# KiCad board spudglo_driver_v4p2.kicad_pcb
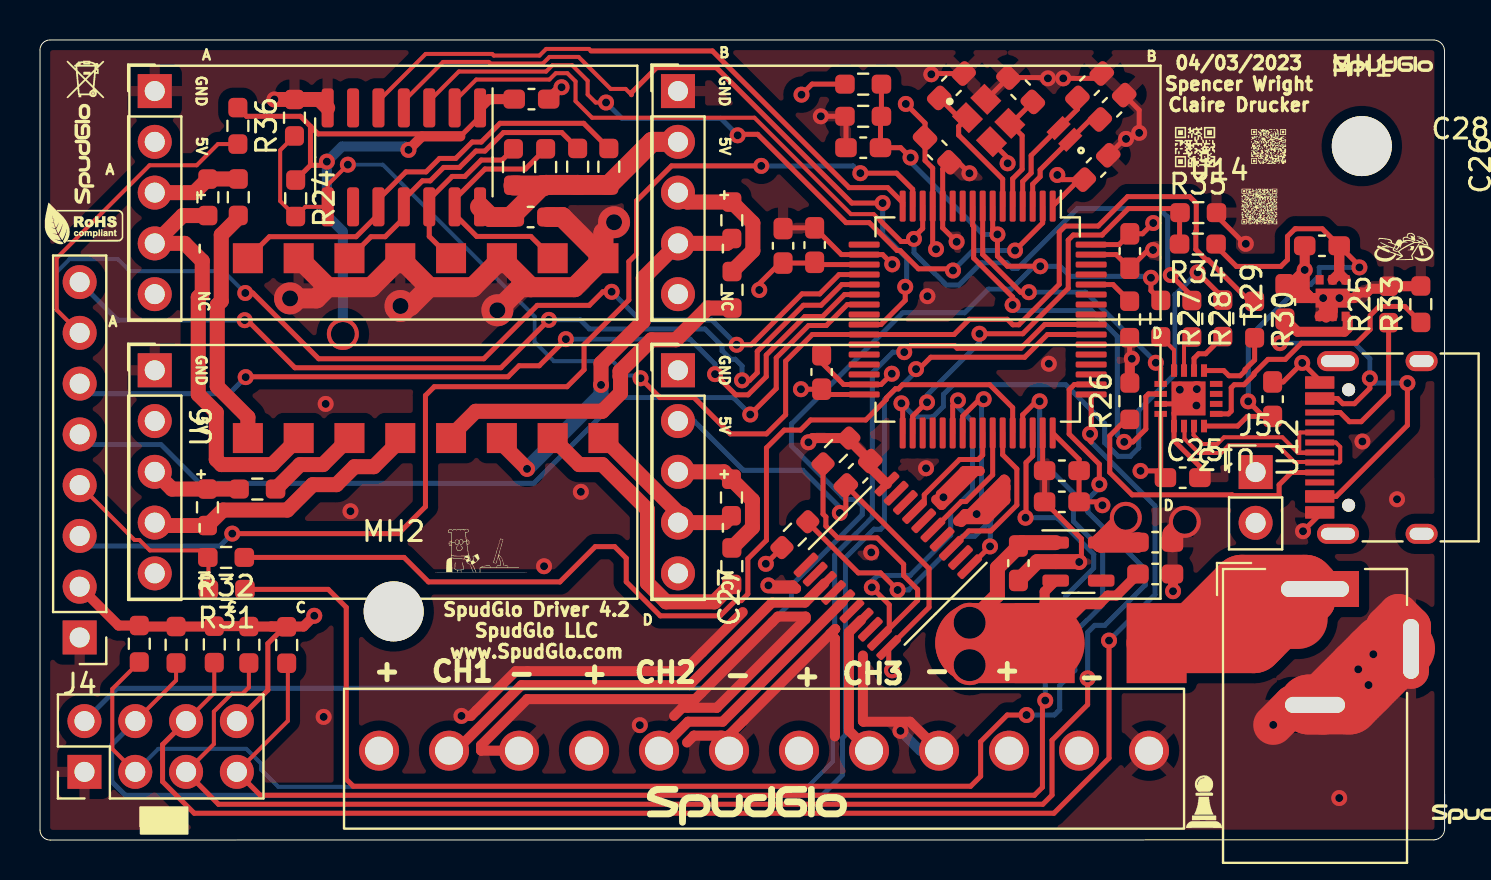
[diagram p0: board, top side]
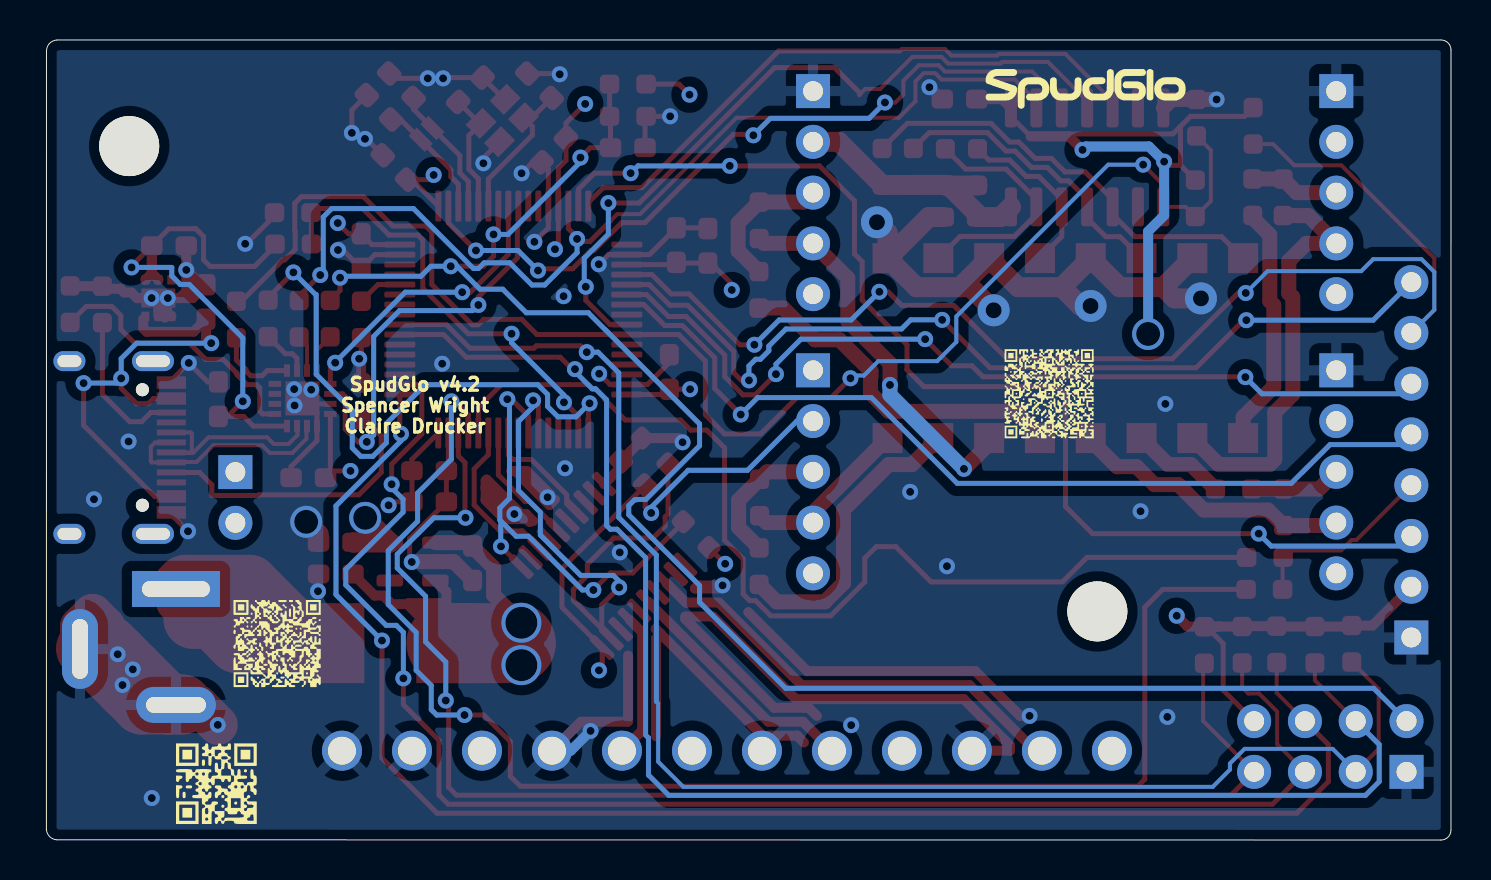
[diagram p1: board, bottom side, seen from below]

Outline 70.23 x 40.03 mm; copper layers: Top, GND.Cu (plane), PWR.Cu (plane), Bottom. Coordinates in mm from the lower left corner of the outline.
Outline path: 0,39.52 0,0.49 arc(0.15,0.14) 0.51,0 69.7,0.01 arc(70.07,0.17) 70.23,0.54 70.23,39.48 arc(70.07,39.86) 69.7,40.03 0.5,40.03 arc(0.14,39.88) 0,39.52
Stack: Top 0.035mm / dielectric 1.51mm FR4 er 4.5 / GND.Cu 0.035mm / dielectric 1.51mm FR4 er 4.5 / PWR.Cu 0.035mm / dielectric 1.51mm FR4 er 4.5 / Bottom 0.035mm

## Placement (name value [footprint] x y rotation side)
C1  1u  [C_0603_1608Metric_Pad1.08x0.95mm_HandSolder]  24.57 37.07 0 top
C2  1u  [C_0603_1608Metric_Pad1.08x0.95mm_HandSolder]  24.53 31.17 0 top
C3  6p  [C_0603_1608Metric_Pad1.08x0.95mm_HandSolder]  45.57 37.74 45 top
C4  8p  [C_0603_1608Metric_Pad1.08x0.95mm_HandSolder]  53.6 36.66 45 top
C5  8p  [C_0603_1608Metric_Pad1.08x0.95mm_HandSolder]  52.48 37.74 45 top
C6  0.1u  [C_0603_1608Metric_Pad1.08x0.95mm_HandSolder]  40.9 18.35 45 top
C7  6p  [C_0603_1608Metric_Pad1.08x0.95mm_HandSolder]  49.03 37.54 135 top
C8  0.1u  [C_0603_1608Metric_Pad1.08x0.95mm_HandSolder]  41.16 34.64 180 top
C9  0.1u  [C_0603_1608Metric_Pad1.08x0.95mm_HandSolder]  54.49 29.47 270 top
C10  0.1u  [C_0603_1608Metric_Pad1.08x0.95mm_HandSolder]  38.73 29.77 90 top
C11  0.1u  [C_0603_1608Metric_Pad1.08x0.95mm_HandSolder]  52.8 33.65 45 top
C12  0.1u  [C_0603_1608Metric_Pad1.08x0.95mm_HandSolder]  39.08 23.42 90 top
C13  0.1u  [C_0603_1608Metric_Pad1.08x0.95mm_HandSolder]  44.86 34.52 315 top
C14  4.7u  [C_0603_1608Metric_Pad1.08x0.95mm_HandSolder]  37.15 29.73 90 top
C15  1u  [C_0603_1608Metric_Pad1.08x0.95mm_HandSolder]  48.92 13.85 270 top
C16  0.01u  [C_0603_1608Metric_Pad1.08x0.95mm_HandSolder]  51.1 18.48 180 top
C17  1u  [C_0603_1608Metric_Pad1.08x0.95mm_HandSolder]  51.09 16.92 180 top
C18  1u  [C_0603_1608Metric_Pad1.08x0.95mm_HandSolder]  55.76 14.9 0 top
C19  10u  [C_0603_1608Metric_Pad1.08x0.95mm_HandSolder]  55.76 13.31 0 top
C25  1u  [C_0603_1608Metric_Pad1.08x0.95mm_HandSolder]  57.14 18.13 0 top
C26  1u  [C_0603_1608Metric_Pad1.08x0.95mm_HandSolder]  61.63 22.06 90 top
C27  1u  [C_0603_1608Metric_Pad1.08x0.95mm_HandSolder]  62.25 26.92 90 top
C28  1u  [C_0603_1608Metric_Pad1.08x0.95mm_HandSolder]  64.1 29.73 180 top
F1  Fuse-2410FA  [2410FA]  55.83 5.85 180 top
G***  -  [LOGO]  58.17 1.94 0 top
G***#2  -  [LOGO]  72.09 1.29 0 top
G***#3  -  [LOGO]  35.34 1.71 0 top
G***#4  -  [LOGO]  61.43 34.7 0 top
G***#5  -  [LOGO]  2.26 38.04 0 top
G***#6  -  [LOGO]  23.06 -4.13 0 top
G***#7  -  [LOGO]  22.06 14.48 0 top
G***#8  -  [LOGO]  67.15 38.72 0 top
G***#9  -  [LOGO]  2.22 30.81 0 top
G***#10  -  [LOGO]  60.97 31.7 0 top
G***#11  -  [LOGO]  57.75 34.67 0 top
G***#12  -  [LOGO]  68.2 29.66 0 top
G***#13  -  [LOGO]  2.22 34.33 90 top
G***#14  -  [LOGO]  20.09 22.33 180 bottom
G***#15  -  [LOGO]  18.27 37.58 180 bottom
G***#16  -  [LOGO]  58.69 9.83 180 bottom
G***#17  -  [LOGO]  61.73 2.82 180 bottom
J1  Conn_01x08_Male  [PinHeader_2x04_P2.54mm_Vertical]  2.22 3.41 90 top
J2  Barrel_Jack_Switch  [BarrelJack_Wuerth_6941xx301002]  63.75 12.56 0 top
J3  terminal_custom_12pin  [1984714]  16.95 4.47 0 top
J4  Conn_01x08_Male  [PinHeader_1x08_P2.54mm_Vertical]  1.98 10.14 180 top
J5  Conn_01x02_Male  [PinHeader_1x02_P2.54mm_Vertical]  60.78 18.41 0 top
MH1  MountingHole_Pad  [MountingHole_3mm]  66.09 34.72 0 top
MH2  MountingHole_Pad  [MountingHole_3mm]  17.68 11.44 0 top
R1  10k  [R_0603_1608Metric_Pad0.98x0.95mm_HandSolder]  8.39 32.16 270 top
R2  10k  [R_0603_1608Metric_Pad0.98x0.95mm_HandSolder]  12.72 36.14 90 top
R3  10k  [R_0603_1608Metric_Pad0.98x0.95mm_HandSolder]  34.57 17.14 270 top
R4  10k  [R_0603_1608Metric_Pad0.98x0.95mm_HandSolder]  8.37 16.65 270 top
R5  10k  [R_0603_1608Metric_Pad0.98x0.95mm_HandSolder]  34.59 31.01 270 top
R6  1k  [R_0603_1608Metric_Pad0.98x0.95mm_HandSolder]  9.91 32.16 90 top
R7  1k  [R_0603_1608Metric_Pad0.98x0.95mm_HandSolder]  10.87 17.56 180 top
R8  1k  [R_0603_1608Metric_Pad0.98x0.95mm_HandSolder]  34.6 27.53 90 top
R9  1k  [R_0603_1608Metric_Pad0.98x0.95mm_HandSolder]  34.59 13.7 90 top
R10  10k  [R_0603_1608Metric_Pad0.98x0.95mm_HandSolder]  28.44 33.69 90 top
R11  10k  [R_0603_1608Metric_Pad0.98x0.95mm_HandSolder]  25.28 33.67 90 top
R12  10k  [R_0603_1608Metric_Pad0.98x0.95mm_HandSolder]  26.88 33.69 90 top
R13  10k  [R_0603_1608Metric_Pad0.98x0.95mm_HandSolder]  23.67 33.67 90 top
R14  10k  [R_0603_1608Metric_Pad0.98x0.95mm_HandSolder]  37.74 15.28 45 top
R15  10k  [R_0603_1608Metric_Pad0.98x0.95mm_HandSolder]  54.48 26.05 270 top
R16  10k  [R_0603_1608Metric_Pad0.98x0.95mm_HandSolder]  41.16 37.82 0 top
R17  10k  [R_0603_1608Metric_Pad0.98x0.95mm_HandSolder]  39.8 19.46 45 top
R18  10k  [R_0603_1608Metric_Pad0.98x0.95mm_HandSolder]  12.33 9.76 270 top
R19  10k  [R_0603_1608Metric_Pad0.98x0.95mm_HandSolder]  8.71 9.79 270 top
R20  10k  [R_0603_1608Metric_Pad0.98x0.95mm_HandSolder]  10.44 9.77 270 top
R21  10k  [R_0603_1608Metric_Pad0.98x0.95mm_HandSolder]  6.8 9.77 270 top
R22  10k  [R_0603_1608Metric_Pad0.98x0.95mm_HandSolder]  4.96 9.82 270 top
R23  DNI  [R_0603_1608Metric_Pad0.98x0.95mm_HandSolder]  41.16 36.21 180 top
R24  DNI  [R_0603_1608Metric_Pad0.98x0.95mm_HandSolder]  12.78 32.11 270 top
R25  5.1k  [R_0603_1608Metric_Pad0.98x0.95mm_HandSolder]  67.43 26.8 90 top
R26  5.1k  [R_0603_1608Metric_Pad0.98x0.95mm_HandSolder]  54.49 21.96 90 top
R27  0  [R_0603_1608Metric_Pad0.98x0.95mm_HandSolder]  56.04 26.09 270 top
R28  0  [R_0603_1608Metric_Pad0.98x0.95mm_HandSolder]  57.59 26.08 270 top
R29  0  [R_0603_1608Metric_Pad0.98x0.95mm_HandSolder]  59.14 26.1 270 top
R30  0  [R_0603_1608Metric_Pad0.98x0.95mm_HandSolder]  60.73 26.04 270 top
R31  0  [R_0603_1608Metric_Pad0.98x0.95mm_HandSolder]  9.33 12.54 180 top
R32  DNI  [R_0603_1608Metric_Pad0.98x0.95mm_HandSolder]  9.3 14.14 180 top
R33  10k  [R_0603_1608Metric_Pad0.98x0.95mm_HandSolder]  69.04 26.81 90 top
R34  10k  [R_0603_1608Metric_Pad0.98x0.95mm_HandSolder]  57.89 29.82 180 top
R35  28k  [R_0603_1608Metric_Pad0.98x0.95mm_HandSolder]  57.92 31.39 0 top
R36  10k  [R_0603_1608Metric_Pad0.98x0.95mm_HandSolder]  9.89 35.73 270 top
U1  receiver_433MHz  [PinHeader_1x05_P2.54mm_Vertical]  5.74 37.47 0 top
U2  TXS0104EDR  [SOIC-14_3.9x8.7mm_P1.27mm]  18.19 34.16 270 top
U3  receiver_433MHz  [PinHeader_1x05_P2.54mm_Vertical]  31.9 23.5 0 top
U4  receiver_433MHz  [PinHeader_1x05_P2.54mm_Vertical]  5.74 23.5 0 top
U5  receiver_433MHz  [PinHeader_1x05_P2.54mm_Vertical]  31.9 37.47 0 top
U6  PS2501-4  [PS2501-4XSM]  10.39 20.11 90 top
U7  ECS-.327-9-1210-TR  [XTAL_ECS-.327-9-1210-TR]  51.22 35.33 135 top
U8  ECS-480-8-36-RWN-TR  [XTAL_ECS-480-8-36-RWN-TR]  47.43 36 315 top
U9  SN74HCT245PW  [TSSOP-20_4.4x6.5mm_P0.65mm]  42.39 13.72 225 top
U10  STM32L431RCTx  [LQFP-64_10x10mm_P0.5mm]  46.89 26.04 270 top
U11  LP5907MFX-3.3  [SOT-23-5]  51.92 13.93 0 top
U12  USB-C-31-M-12  [USB_C_Receptacle_HRO_TYPE-C-31-M-12]  68.03 19.64 90 top
U13  -  [XR21B1411]  58.81 21.32 180 top
U14  -  [NCP361]  63.98 28.5 0 top

## Library data of the parts
U8 = -: AVAILABILITY: Good; DESCRIPTION: The minature ECX-2236 is a compact SMD Crystal. The industry standard 2.5 x 2.0 x 0.55 mm ceramic package is ideal for today’s SMD manufacturing environment.; MF: ECS INC; MP: ECX-2236; PACKAGE: SMD-4 ECX; PARTREV: 2017; STANDARD: Manufacturer Recommendation

## Footprints (pads in the part's own frame, mm; a bottom-side part is the same pattern mirrored in y, then rotated)
2410FA
  rect 3x4 smd: 1(0,-4) 2(5.6,-4)
1984714
  round 2 hole 1.4: 1(0,0) 2(3.5,0) 3(7,0) 4(10.5,0) 5(14,0) 6(17.5,0) 7(21,0) 8(24.5,0) 9(28,0) 10(31.5,0) 11(35,0) 12(38.5,0)
BarrelJack_Wuerth_6941xx301002
  rect 4.4x1.8 hole 3.4x0.8: 1(0,0)
  oval 4x1.8 hole 3x0.8: 2(0,-5.8)
  oval 1.8x4 hole 0.8x3: 3(4.8,-3)
C_0603_1608Metric_Pad1.08x0.95mm_HandSolder
  rrect 1.075x0.95 smd: 1(-0.863,0) 2(0.863,0)
LQFP-64_10x10mm_P0.5mm
  rrect 1.55x0.3 smd: 1(-5.675,3.75) 2(-5.675,3.25) 3(-5.675,2.75) 4(-5.675,2.25) 5(-5.675,1.75) 6(-5.675,1.25) 7(-5.675,0.75) 8(-5.675,0.25) 9(-5.675,-0.25) 10(-5.675,-0.75) 11(-5.675,-1.25) 12(-5.675,-1.75) 13(-5.675,-2.25) 14(-5.675,-2.75) 15(-5.675,-3.25) 16(-5.675,-3.75) 33(5.675,-3.75) 34(5.675,-3.25) 35(5.675,-2.75) 36(5.675,-2.25) 37(5.675,-1.75) 38(5.675,-1.25) 39(5.675,-0.75) 40(5.675,-0.25) 41(5.675,0.25) 42(5.675,0.75) 43(5.675,1.25) 44(5.675,1.75) 45(5.675,2.25) 46(5.675,2.75) 47(5.675,3.25) 48(5.675,3.75)
  rrect 0.3x1.55 smd: 17(-3.75,-5.675) 18(-3.25,-5.675) 19(-2.75,-5.675) 20(-2.25,-5.675) 21(-1.75,-5.675) 22(-1.25,-5.675) 23(-0.75,-5.675) 24(-0.25,-5.675) 25(0.25,-5.675) 26(0.75,-5.675) 27(1.25,-5.675) 28(1.75,-5.675) 29(2.25,-5.675) 30(2.75,-5.675) 31(3.25,-5.675) 32(3.75,-5.675) 49(3.75,5.675) 50(3.25,5.675) 51(2.75,5.675) 52(2.25,5.675) 53(1.75,5.675) 54(1.25,5.675) 55(0.75,5.675) 56(0.25,5.675) 57(-0.25,5.675) 58(-0.75,5.675) 59(-1.25,5.675) 60(-1.75,5.675) 61(-2.25,5.675) 62(-2.75,5.675) 63(-3.25,5.675) 64(-3.75,5.675)
MountingHole_3mm
  round 3 hole 3 unplated: (0,0)
NCP361
  rect 0.4x0.47 smd: 1(0,-2.3) 2(0.65,-2.3) 3(1.3,-2.3) 4(1.3,-0.47) 5(0.65,-0.47) 6(0,-0.47)
  rect 1.7x0.95 smd: EPAD(0.65,-1.385)
PinHeader_1x02_P2.54mm_Vertical
  rect 1.7x1.7 hole 1: 1(0,0)
  oval 1.7x1.7 hole 1: 2(0,-2.54)
PinHeader_1x05_P2.54mm_Vertical
  rect 1.7x1.7 hole 1: 1(0,0)
  oval 1.7x1.7 hole 1: 2(0,-2.54) 3(0,-5.08) 4(0,-7.62) 5(0,-10.16)
PinHeader_1x08_P2.54mm_Vertical
  rect 1.7x1.7 hole 1: 1(0,0)
  oval 1.7x1.7 hole 1: 2(0,-2.54) 3(0,-5.08) 4(0,-7.62) 5(0,-10.16) 6(0,-12.7) 7(0,-15.24) 8(0,-17.78)
PinHeader_2x04_P2.54mm_Vertical
  rect 1.7x1.7 hole 1: 1(0,0)
  oval 1.7x1.7 hole 1: 2(2.54,0) 3(0,-2.54) 4(2.54,-2.54) 5(0,-5.08) 6(2.54,-5.08) 7(0,-7.62) 8(2.54,-7.62)
PS2501-4XSM
  rect 1.5x1.5 smd: 1(0,0) 2(0,-2.54) 3(0,-5.08) 4(0,-7.62) 5(0,-10.16) 6(0,-12.7) 7(0,-15.24) 8(0,-17.78) 9(9,-17.78) 10(9,-15.24) 11(9,-12.7) 12(9,-10.16) 13(9,-7.62) 14(9,-5.08) 15(9,-2.54) 16(9,0)
R_0603_1608Metric_Pad0.98x0.95mm_HandSolder
  rrect 0.975x0.95 smd: 1(-0.912,0) 2(0.912,0)
SOIC-14_3.9x8.7mm_P1.27mm
  rrect 1.95x0.6 smd: 1(-2.475,3.81) 2(-2.475,2.54) 3(-2.475,1.27) 4(-2.475,0) 5(-2.475,-1.27) 6(-2.475,-2.54) 7(-2.475,-3.81) 8(2.475,-3.81) 9(2.475,-2.54) 10(2.475,-1.27) 11(2.475,0) 12(2.475,1.27) 13(2.475,2.54) 14(2.475,3.81)
SOT-23-5
  rrect 1.325x0.6 smd: 1(-1.137,0.95) 2(-1.137,0) 3(-1.137,-0.95) 4(1.137,-0.95) 5(1.137,0.95)
TSSOP-20_4.4x6.5mm_P0.65mm
  rrect 1.475x0.4 smd: 1(-2.862,2.925) 2(-2.862,2.275) 3(-2.862,1.625) 4(-2.862,0.975) 5(-2.862,0.325) 6(-2.862,-0.325) 7(-2.862,-0.975) 8(-2.862,-1.625) 9(-2.862,-2.275) 10(-2.862,-2.925) 11(2.862,-2.925) 12(2.862,-2.275) 13(2.862,-1.625) 14(2.862,-0.975) 15(2.862,-0.325) 16(2.862,0.325) 17(2.862,0.975) 18(2.862,1.625) 19(2.862,2.275) 20(2.862,2.925)
USB_C_Receptacle_HRO_TYPE-C-31-M-12
  round 0.65 hole 0.65 unplated: (-2.89,2.6) (2.89,2.6)
  rect 0.6x1.45 smd: A1(-3.25,4.045) A4(-2.45,4.045) A9(2.45,4.045) A12(3.25,4.045) B1(3.25,4.045) B4(2.45,4.045) B9(-2.45,4.045) B12(-3.25,4.045)
  rect 0.3x1.45 smd: A5(-1.25,4.045) A6(-0.25,4.045) A7(0.25,4.045) A8(1.25,4.045) B5(1.75,4.045) B6(0.75,4.045) B7(-0.75,4.045) B8(-1.75,4.045)
  oval 1x2.1 hole 0.6x1.7: S1(-4.32,3.13) S1(4.32,3.13)
  oval 1x1.6 hole 0.6x1.2: S1(-4.32,-1.05) S1(4.32,-1.05)
XR21B1411
  rect 0.625x0.3 smd: 1(0,-0.005) 2(0,-0.505) 3(0,-1.005) 4(0,-1.505) 9(2.775,-1.505) 10(2.775,-1.005) 11(2.775,-0.505) 12(2.775,-0.005)
  rect 0.3x0.625 smd: 5(0.608,-2.172) 6(1.107,-2.172) 7(1.607,-2.172) 8(2.107,-2.172) 13(2.107,0.603) 14(1.607,0.603) 15(1.107,0.603) 16(0.608,0.603)
  rect 1.7x1.7 smd: EPAD(1.383,-0.78)
XTAL_ECS-480-8-36-RWN-TR
  rect 1.2x1 smd: 1(-0.85,-0.65) 2(0.85,-0.65) 3(0.85,0.65) 4(-0.85,0.65)
XTAL_ECS-.327-9-1210-TR
  rect 0.575x1.14 smd: 1(-0.413,0) 2(0.413,0)

## Nets
+3V3: C1.1 C9.1 C10.1 C11.1 C12.1 C13.1 C14.1 C16.1 C17.1 C18.1 C25.1 J1.8 J4.2 R14.1 R16.1 R18.1 R19.1 R20.1 R21.1 R22.1 R24.1 R36.1 U2.1 U10.1 U10.13 U10.19 U10.32 U10.48 U10.64 U11.5 U13.12
+5V: C2.1 C6.1 C15.1 C19.1 F1.2 J3.1 J3.4 J3.7 J3.10 R10.1 R11.1 R12.1 R13.1 U1.2 U2.14 U3.2 U4.2 U5.2 U9.20 U11.1 U11.3
GND1: C1.2 C2.2 C3.2 C4.2 C5.2 C6.2 C7.2 C8.2 C9.2 C10.2 C11.2 C12.2 C13.2 C14.2 C15.2 C16.2 C17.2 C18.2 C19.2 C25.2 C26.2 C27.2 C28.2 J1.1 J2.2 J2.3 J3.3 J3.6 J3.9 J3.11 J3.12 J4.1 R2.2 R15.2 R17.2 R23.2 R25.2 R26.2 R33.2 R35.2 U1.1 U2.7 U3.1 U4.1 U5.1 U6.9 U6.11 U6.13 U6.15 U8.2 U8.4 U9.10 U10.12 U10.18 U10.31 U10.47 U10.63 U11.2 U12.A1 U12.A12 U12.B1 U12.B12 U13.11 U13.13 U13.EPAD U14.1 U14.2 U14.EPAD
VBUS: C26.1 C28.1 R34.1 U13.16 U14.4 U14.5
VBUS_PRESENT: R34.2 R35.1 U10.34
/INT_1: R10.2 U2.10 U6.16
/INT_2: R12.2 U2.11 U6.14
/INT_3: R13.2 U2.12 U6.12
/INT_4: R11.2 U2.13 U6.10
/OUT_1_N: R1.2 U1.4 U6.2
/OUT_1_P: R1.1 R6.2 U1.3
/OUT_2_N: R4.2 U4.4 U6.4
/OUT_2_P: R4.1 R7.2 U4.3
/OUT_3_N: R5.2 U5.4 U6.6
/OUT_3_P: R5.1 R8.2 U5.3
/OUT_4_N: R3.2 U3.4 U6.8
/OUT_4_P: R3.1 R9.2 U3.3
/spudglo_v4p2_micro/BOOT0: R15.1 U10.60
/spudglo_v4p2_micro/DISP_BACKLIGHT: J4.8 U10.21
/spudglo_v4p2_micro/DISP_DC: J4.6 U10.22
/spudglo_v4p2_micro/DISP_RST: J4.5 U10.23
/spudglo_v4p2_micro/JTDI: J1.5 R20.2 U10.50
/spudglo_v4p2_micro/JTDO: J1.4 R21.2 U10.55
/spudglo_v4p2_micro/LVL_DIR: R14.2 U9.1 U10.39
/spudglo_v4p2_micro/LVL_EN: R17.1 U9.19 U10.38
/spudglo_v4p2_micro/NJTRST: J1.3 R22.2 U10.56
/spudglo_v4p2_micro/OSC48_HI: C7.1 U8.3 U10.5
/spudglo_v4p2_micro/OSC48_LO: C3.1 U8.1 U10.6
/spudglo_v4p2_micro/SPI1_CIPO: R32.1 U10.44
/spudglo_v4p2_micro/SPI1_COPI: R31.1 U10.45
/spudglo_v4p2_micro/SPI1_NSS: J4.7 R36.2 U10.20
/spudglo_v4p2_micro/SPI1_SCK: J4.3 U10.15
/spudglo_v4p2_micro/SWCLK: J1.6 R19.2 U10.49
/spudglo_v4p2_micro/SWDIO: J1.7 R18.2 U10.46
/spudglo_v4p2_micro/TIM1_CH1: U9.7 U10.41
/spudglo_v4p2_micro/TIM1_CH1_SHIFT: J3.2 U9.13
/spudglo_v4p2_micro/TIM1_CH2: U9.5 U10.42
/spudglo_v4p2_micro/TIM1_CH2_SHIFT: J3.5 U9.15
/spudglo_v4p2_micro/TIM1_CH3: U9.3 U10.43
/spudglo_v4p2_micro/TIM1_CH3_SHIFT: J3.8 U9.17
INT_LVL_EN: R2.1 R24.2 R30.1 U2.8 U10.26
NRST: C8.1 J1.2 R16.2 R23.1 R27.1 U10.7
USBD+: U12.A6 U12.B6 U13.15
USBD-: U12.A7 U12.B7 U13.14
WKUP1: R28.1 U2.2 U10.14
WKUP2: U2.3 U10.2
WKUP3: U2.4 U10.25
WKUP4: U2.5 U10.16
XR_GPIO: R29.1 U10.33
XR_RX: U10.9 U13.10
XR_TX: U10.8 U13.9
Net-(C4-Pad1): C4.1 U7.1 U10.3
Net-(C5-Pad1): C5.1 U7.2 U10.4
Net-(C27-Pad1): C27.1 U12.A4 U12.A9 U12.B4 U12.B9 U14.3
Net-(F1-Pad1): F1.1 J2.1
Net-(J4-Pad4): J4.4 R31.2 R32.2
Net-(R6-Pad1): R6.1 U6.1
Net-(R7-Pad1): R7.1 U6.3
Net-(R8-Pad1): R8.1 U6.5
Net-(R9-Pad1): R9.1 U6.7
Net-(R25-Pad1): R25.1 U12.B5
Net-(R26-Pad1): R26.1 U12.A5
Net-(R27-Pad2): R27.2 U13.8
Net-(R28-Pad2): R28.2 U13.7
Net-(R29-Pad2): R29.2 U13.6
Net-(R30-Pad2): R30.2 U13.5
Net-(R33-Pad1): R33.1 U13.1

Pads without a net: J5 1 2; U1 5; U2 6 9; U3 5; U4 5; U5 5; U9 2 4 6 8 9 11 12 14 16 18; U10 10 11 17 24 27 28 29 30 35 36 37 40 51 52 53 54 57 58 59 61 62; U11 4; U12 A8 B8 S1; U13 2 3 4; U14 6

## Via types
v1: diameter 0.8, hole 0.4, Top to Bottom, 121 vias
v2: diameter 2, hole 1.6, Top to Bottom, 2 vias
v3: diameter 1.6, hole 0.8, Top to Bottom, 4 vias
v4: diameter 1.6, hole 1.2, Top to Bottom, 3 vias

## Routing (per net, layer and track width the routed paths; a pad name or vN(x,y) marks a point on that pad's centre or on a via; arc(x,y) is an arc through that point)
+3V3: length 96.3
  Top w0.25: 13.52,35.71 13.9,35.33 21.14,35.33 22,36.19 U2.1 ; 13.52,35.71 13.52,33.76 ; 13.52,35.71 13.02,36.21 10.33,36.21 R36.1 ; 13.52,33.76 14.16,33.76 v1(14.34,33.94) ; 13.52,33.76 R24.1 ; R14.1 37.1,14.62 v1(36.29,13.82) ; v1(43.29,36.83) 44.25,35.87 C13.1 44.25,34 44.64,33.62 44.64,29.73 v1(44.8,29.56) ; v1(38.05,22.56) C12.1 39.35,22.29 U10.32 ; v1(35.96,27.52) 35.91,27.57 35.91,27.78 37,28.87 C14.1 38.7,28.87 C10.1 38.85,28.79 U10.19 ; J1.8 11.39,7.5 11.39,9.83 12.23,10.67 R18.1 ; v1(38.08,37.29) 38.6,37.82 R16.1 ; U10.48 51.96,19.04 C16.1 51.96,18.48 C17.1 52.95,16.92 v1(53.12,16.75) ; v1(55.03,18.47) 55.94,18.47 C25.1 56.04,18.37 U13.12 ; v1(55.66,30.87) 55.13,30.33 C9.1 53.95,29.79 52.56,29.79 ; 50.64,31.72 51.96,33.04 C11.1 51.1,33.04 v1(50.87,33.28)
  Top w0.5: C1.1 22.44,37.07 U2.1 ; v1(13.71,11.22) 13.18,10.68 11.57,10.68 ; v1(18.42,34.53) 19.1,35.21 21.02,35.21 ; 11.57,10.68 12.32,10.68 R18.1 ; 11.57,10.68 R20.1 10.43,10.7 R19.1 8.7,10.68 R21.1 5.01,10.68 R22.1 3.93,10.73 J4.2
  Top w1: C18.1 54.88,14.88 U11.5 53.06,14.89 v4(54.29,16.12)
  Bottom w0.5: v4(15.14,25.32) 15.14,30.45 14.34,31.25 v1(14.34,33.94) 15.1,34.7 18.25,34.7 v1(18.42,34.53)
+5V: length 63.6
  Top w0.25: v1(42.6,8.49) 42.44,8.66 U9.20 44.45,11.64 44.45,13.58 C6.1 40.29,16.66 v1(39.99,16.36)
  Top w0.5: 50.23,11.85 52.13,11.85 52.18,11.8 ; 50.23,11.85 50.23,12.43 U11.3 ; 50.23,11.85 F1.2 52.18,11.8 ; 52.18,11.8 52.95,11.8 53.38,12.23 53.82,12.23 54.9,13.31 C19.1
  Top w0.75: U11.1 49.09,14.88 C15.1 48.92,14.67 47.87,13.62 47.87,12.26 v2(46.48,10.87)
  Top w1: 23.67,32.75 25.27,32.75 R11.1 ; U5.2 30.6,34.93 R10.1 26.89,32.78 R12.1 25.3,32.78 R11.1 ; R11.1 25.12,32.76 23.67,31.31 C2.1 22.51,31.17 U2.14
  Top w4: F1.2 46.77,9.85 46.76,9.86
  PWR.Cu w2: U1.2 8.66,34.93 ; U4.2 7.64,20.96 7.77,21.09
  Bottom w0.25: U3.2 32.71,20.96 35.17,18.5 38.14,18.5 39.99,16.65 v1(39.99,16.36)
  vias: v2(46.48,8.75)
GND1: length 233.1
  Top w0.25: C26.2 62.16,22.92 v1(63.11,23.87) 63.99,23 63.99,22.89 ; C11.2 54.23,35.08 v1(54.3,35.08) ; C5.2 52.85,38.11 v1(51.16,38.11) ; R15.2 54.48,24.19 v1(54.59,24.08) ; v1(60.29,29.83) 60.23,29.83 58.83,31.24 R35.2 ; v1(50.4,38.11) 50.36,38.15 C7.2 47.33,37.06 U8.4 ; v1(39.04,36.21) R23.2 40.3,36.16 C8.2 ; C14.2 37.19,30.63 C10.2 40.07,29.29 U10.18 42.13,29.29 v1(42.61,28.81) ; U13.11 57.15,21.82 57.43,22.1 56.7,21.37 U13.13 56.7,19.98 58,18.69 C25.2 ; v1(51.96,13.91) 52.07,14.02 52.07,15.08 C17.2 50.23,18.48 C16.2 50.14,18.58 U10.47 ; v1(46.47,33.36) 45.92,33.91 C13.2 45.14,33.57 45.14,30.63 v1(45.83,29.93) ; C3.2 44.6,38.35 v1(44.57,38.31) ; v1(54.96,35.38) 54.96,36.52 C4.2 ; U8.2 48.38,34.13 v1(48.38,33.86) ; v1(42.59,23.33) 42.06,22.79 U10.31 40.18,22.79 39.08,23.89 C12.2 ; 63.99,16.39 63.99,16.29 v1(63.15,15.45) ; 52.56,29.29 53.81,29.29 C9.2 55.41,29.52 v1(55.65,29.52)
  Top w0.5: C27.2 62.87,27.78 62.9,27.75 ; C27.2 62.5,27.78 v1(63.24,28.52) ; C27.2 62.92,27.12 v1(64.16,27.12) 64.63,27.12 ; 34.42,5.22 34.45,5.19 J3.6 ; J3.6 34.45,4.88 34.11,5.22 32.69,5.22 32.35,4.88 ; J3.6 34.45,5.25 39.76,10.56 39.51,10.31 39.75,10.08 39.75,5.19 ; U9.10 41.51,18.65 C6.2 40.44,20.03 R17.2 38.63,20.11 v1(38.42,19.9) ; 62.9,27.49 63.19,27.49 63.56,27.12 ; 63.56,27.12 63.24,27.44 v1(63.24,28.52) ; 63.56,27.12 64.63,27.12 ; J3.3 22.06,4.47 22.05,4.48 22.05,4.74 24.36,7.05 32.76,7.05 36.89,11.18 38.28,11.18 38.28,11.06 33.84,6.62 32.11,6.62 31.7,6.21 ; 41.15,9.23 41.15,5.95 41.17,5.92 43.5,5.92 J3.9 ; R26.2 54.49,23.98 v1(54.59,24.08) ; 46.26,16.31 46.49,16.31 48.21,18.03 48.27,17.98 48.27,17.7 ; 46.26,16.31 45.9,15.95 ; 46.26,16.31 v1(46.83,16.31) 47,16.31 48.27,17.58 48.27,17.7 ; v1(63.24,28.52) 63.24,29.73 ; v1(45.17,17.15) 45.04,17.28 45.04,17.29 46.22,18.47 46.98,18.47 46.79,18.47 45.09,16.77 45.07,16.77 44.81,17.03 ; 64.31,26.14 64.63,26.46 64.63,27.12 ; 64.63,27.12 64.19,26.67 ; 64.63,27.12 v1(64.97,27.12) 65.7,27.12 65.98,27.4 66.34,27.4 66.53,27.58 67.31,27.58 R25.2 69.03,27.71 R33.2 ; 64.63,27.12 64.63,26.85 U14.1 ; 64.63,27.12 U14.2 ; 48.27,17.7 48.27,17 47.32,16.05 46.21,16.05 46.07,15.91 ; C1.2 26.03,37.67 v1(26.08,37.67) ; C19.2 56.65,13.28 v1(56.65,12.45) ; v1(21.07,6.21) 21.54,6.21 23.78,8.45 32.18,8.45 35.14,11.4 ; v1(36.42,12.74) 37.64,12.74 37.8,12.58 36.58,12.58
  Top w0.75: v1(51.96,13.91) 51.94,13.93 U11.2 49.87,13.93 C15.2 ; v1(11.72,37.05) R2.2 13.96,37.05 U2.7
  Top w1: U6.9 26.72,27.66 24.54,27.66 ; U6.9 28.17,30.38 v3(28.7,30.91) ; U6.9 26.11,31.17 C2.2 ; 14.38,27.66 U6.15 ; 14.38,27.66 13.82,27.1 v3(12.5,27.1) ; 14.38,27.66 16.56,27.66 U6.13 19.46,27.66 ; 19.46,27.66 21.64,27.66 U6.11 24.54,27.66 ; 19.46,27.66 18.52,26.72 v3(18.02,26.72) ; 24.54,27.66 24.02,27.66 v3(22.87,26.51) ; C18.2 56.63,15.3 v4(57.24,15.92)
  Top w2: 66.29,7.62 v1(66.43,7.76) 68.23,9.56 J2.3 68.55,10.68 67.92,11.31 67.29,10.68 67.29,9.56 67.11,9.74 ; 63.36,7.15 J2.2 62.66,6.76 v1(61.66,5.76)
  Top w3: 67.11,9.74 v1(66.67,9.3) v1(65.91,8.54) 64.15,6.78 63.45,6.78 65.45,6.78 68.25,9.58
  Bottom w0.5: v1(43.02,5.46) 44.01,4.47 J3.9
  vias: v1(14.18,6.16) v1(14.28,21.82) v1(15.52,16.45) v1(25.2,13.7) v1(27.04,17.42) v1(29.99,5.75) v1(41.56,14.39) v1(44.3,18.6) v1(44.37,27.21) v1(50.44,23.83) v1(56.99,22.53) v1(57.84,22.56) v1(57.82,21.74) v1(64.96,2.1) v1(66.12,19.94) v1(67.85,17.05)
VBUS: length 29.3
  Top w0.25: v1(65.97,28.65) 65.97,28.72 C28.1 64.11,30.58 62.76,30.58 62.38,30.2 62.38,29.03 62.04,28.7 59.82,28.7 58.81,29.72 R34.1 ; U13.16 59.89,20.71 60.37,21.2 C26.1 61.17,21.2 v1(60.41,21.95)
  Top w0.5: 64.63,28.04 64.64,28.04 64.96,28.36 C28.1 64.96,28.35 65.27,28.04 65.28,28.04
  Bottom w0.25: v1(60.41,21.95) 60.41,25.12 63.09,27.8 63.54,27.8 63.96,28.22 63.96,28.65 v1(65.97,28.65)
VBUS_PRESENT: length 22.1
  Top w0.25: v1(44.35,21.9) 44.33,21.9 43.64,21.21 U10.34 ; R34.2 56.98,31.37 R35.1 56.8,31.6 54.42,31.6 53.11,30.29 53.11,30.27 51.66,30.27 51.41,30.02 51.41,27.6 49.14,25.33 v1(46.97,25.33)
  Bottom w0.25: v1(44.35,21.9) 44.35,22.26 46.97,24.88 v1(46.97,25.33)
/INT_1: length 21.8
  Top w0.25: R10.2 27.18,35.86 23,35.86 22.06,34.92 21.61,34.92 20.79,34.1 19.97,34.1 19.3,33.43 18.3,33.43 16.92,32.06 U2.10 16.92,31.3 15.81,30.19 11.47,30.19 U6.16
/INT_2: length 14.9
  Top w0.25: U6.14 16.55,30.19 17.26,30.19 18.19,31.12 U2.11 18.19,32.06 19.12,32.98 19.51,32.98 20.18,33.65 20.97,33.65 21.79,34.47 22.25,34.47 23.17,35.4 26.09,35.4 R12.2
/INT_3: length 8.7
  Top w0.25: U6.12 19.46,30.2 U2.12 19.46,32.06 20.61,33.2 21.24,33.2 22.06,34.02 23.11,34.02 R13.2
/INT_4: length 12.2
  Top w0.25: R11.2 24.27,33.57 22.25,33.57 20.73,32.06 U2.13 20.73,31.3 21.84,30.2 24.54,30.2 U6.10
/OUT_1_N: length 21.1
  Top w0.75: U6.2 11.61,18.79 9.07,18.79 8.81,19.04 8.81,21.39 7.91,22.29 7.91,27.16 8.11,27.36 8.11,28.97 7.23,29.85 U1.4 7.13,31.25 R1.2
/OUT_1_P: length 4.5
  Top w0.75: U1.3 7.72,32.39 R1.1 8.4,33.08 9.91,33.08
/OUT_2_N: length 14.2
  Top w0.75: U4.4 5.88,15.74 8.37,15.74 9.15,16.51 12.37,16.51 13.64,17.78 14.82,17.78 15.72,18.68 16.69,18.68 18.01,20 U6.4
/OUT_2_P: length 4.6
  Top w0.75: R7.2 R4.1 6.6,17.56 U4.3
/OUT_3_N: length 19.3
  Top w0.75: v1(24.35,18.57) 23.09,19.83 U6.6 ; v1(28.05,22.77) 28.05,23.85 30.16,25.96 30.16,28.12 U5.4 34.35,29.85 R5.2
  Bottom w0.75: v1(28.05,22.77) 28.05,22.27 v1(24.35,18.57)
/OUT_3_P: length 7.2
  Top w0.75: R8.2 35.64,29.48 35.64,30.87 R5.1 32.37,31.92 U5.3
/OUT_4_N: length 8.6
  Top w0.75: U6.8 31.9,16.38 U3.4 34.23,15.88 R3.2
/OUT_4_P: length 7.1
  Top w0.75: U3.3 34.2,18.42 R3.1 35.62,17 35.62,15.64 34.6,14.62 R9.2
/spudglo_v4p2_micro/BOOT0: length 2.3
  Top w0.25: R15.1 53.65,27.79 52.56,27.79
/spudglo_v4p2_micro/DISP_BACKLIGHT: length 46.4
  Top w0.25: v1(25.44,26.03) 23.05,23.63 12.74,23.63 10.36,26.01 v1(10.23,26.01) ; U10.21 40.09,27.79 39.06,26.76 38.17,26.76 35.86,24.45 35.86,23.38 35.48,23 v1(35.1,23)
  Bottom w0.25: v1(25.44,26.03) 27.02,26.03 27.47,25.57 33.25,25.57 34.11,24.72 34.11,24.48 34.53,24.06 34.77,24.06 35.1,23.72 v1(35.1,23) ; J4.8 3.89,26.01 v1(10.23,26.01)
/spudglo_v4p2_micro/DISP_DC: length 44.7
  Top w0.25: v1(33.75,23.31) 34.79,22.28 35.4,22.28 36.31,23.18 36.31,24.26 38.24,26.19 39.13,26.19 40.23,27.29 U10.22 ; v1(26.29,25.06) 24.96,23.73 23.95,23.73 23.4,23.18 10.3,23.18 v1(10.28,23.16)
  Bottom w0.25: v1(33.75,23.31) 33.75,23.81 32.5,25.06 v1(26.29,25.06) ; J4.6 2.49,22.33 9.45,22.33 v1(10.28,23.16)
/spudglo_v4p2_micro/DISP_RST: length 45.5
  Top w0.25: v1(35.51,21.29) 36.81,22.59 36.81,24.13 38.43,25.74 39.32,25.74 40.37,26.79 U10.23
  Bottom w0.25: v1(35.51,21.29) 34.67,22.14 28.98,22.14 24.69,17.85 7.99,17.85 6.05,19.79 2.49,19.79 J4.5
/spudglo_v4p2_micro/JTDI: length 77
  Top w0.2: R20.2 10.44,7.64 10.13,7.33 9.6,7.33 8.69,6.43 8.69,4.8 J1.5
  Top w0.25: 52.56,22.79 51.72,22.79 51.46,22.53 51.46,20.31 52.97,18.8 v1(52.97,17.8) ; J1.5 8.92,1.79 50.14,1.79 50.6,2.25 50.6,4.99 52.38,6.77 v1(52.38,8.09)
  Bottom w0.25: v1(52.97,17.8) 52.97,17.62 52.4,17.05 52.4,16.41 55.26,13.54 55.26,12.76 53.24,10.74 52.73,10.74 52.38,10.39 v1(52.38,8.09)
/spudglo_v4p2_micro/JTDO: length 76.1
  Top w0.2: J1.4 6.8,7.99 R21.2
  Top w0.25: 52.56,25.29 50.37,25.29 49.24,24.16 44.54,24.16 43.94,23.56 v1(43.8,23.56)
  Bottom w0.25: J1.4 3.59,4.78 3.59,2.92 4.28,2.24 39.11,2.24 40.13,3.26 40.13,5.11 40.27,5.25 ; v1(43.8,23.56) 43.8,23.44 42.94,22.58 42.77,22.58 42.22,22.03 42.22,15.74 42.03,15.55 41.7,15.55 40.27,14.12 40.27,5.26
/spudglo_v4p2_micro/LVL_DIR: length 23.3
  Top w0.25: v1(42.88,12.51) 42.03,13.37 40.92,13.37 38.39,15.89 R14.2 ; U9.1 46.49,13.68 v1(47.5,14.69) ; v1(47.19,22.06) 46.98,22.06 46.14,21.21 U10.39
  Bottom w0.25: 47.52,15.97 47.52,14.7 v1(47.5,14.69) ; 47.52,15.97 46.75,15.2 46.12,15.2 43.43,12.51 v1(42.88,12.51) ; 47.52,15.97 47.56,16.01 47.56,16.61 47.08,17.09 47.08,21.95 v1(47.19,22.06)
/spudglo_v4p2_micro/LVL_EN: length 30.2
  Top w0.25: U10.38 45.64,21.73 v1(45.9,22) ; R17.1 39.15,16.31 39.3,16.17 39.3,15.71 39.89,15.12 41.86,15.12 43.18,13.8 43.18,13.24 43.88,12.54 43.88,11.99 U9.19 42.47,10.57 42.47,11.77 v1(41.59,12.64)
  Bottom w0.25: v1(45.9,22) 45.9,21.67 46.63,20.94 46.63,17.5 45.53,16.4 45.53,15.26 43.51,13.24 41.88,13.24 41.59,12.95 v1(41.59,12.64)
/spudglo_v4p2_micro/NJTRST: length 75.7
  Top w0.2: R22.2 3.61,7.56 3.61,4.56 J1.3
  Top w0.25: 52.56,25.79 50.24,25.79 49.05,24.61 45.86,24.61 45.73,24.73 43.53,24.73 v1(43.21,24.41)
  Bottom w0.2: 39.73,6.93 39.64,6.84 39.64,3.92 38.38,2.66 11.91,2.66 11.05,3.52 11.05,3.83 10.32,4.56 5.91,4.56 J1.3
  Bottom w0.25: v1(43.21,24.41) 42.65,24.41 41.61,23.38 41.61,16.14 39.73,14.26 39.73,6.93
/spudglo_v4p2_micro/OSC48_HI: length 6.2
  Top w0.25: 48.64,31.72 48.64,33.09 49.11,33.56 49.11,35.24 U8.3 48.57,35.86 C7.1
/spudglo_v4p2_micro/OSC48_LO: length 7.3
  Top w0.25: C3.1 45.95,36.14 U8.1 45.93,35.7 45.93,35.27 48.14,33.07 48.14,31.72
/spudglo_v4p2_micro/SPI1_CIPO: length 52.1
  Top w0.25: U10.44 48.64,21.63 47.49,22.78 43.12,22.78 42.92,22.58 42.77,22.58 42.31,22.12 42.31,22.04 41.29,21.02 38.53,21.02 38.02,20.51 37.21,20.51 36.32,19.62 36.32,15 35.39,14.07 35.39,12.31 35.06,11.98 34.77,11.98 34.01,11.22 31.02,11.22 29.31,12.92 29.31,14.1 28.73,14.68 27.76,14.68 26,12.92 19.43,12.92 18.2,14.14 R32.1
/spudglo_v4p2_micro/SPI1_COPI: length 72.1
  Top w0.25: R31.1 14.41,12.54 15.31,11.64 15.31,3.04 15.66,2.69 46.53,2.69 47.03,3.19 47.03,4.92 48.36,6.26 v1(49.33,6.26) ; v1(49.98,21.95) 49.81,21.95 49.14,21.27 U10.45
  Bottom w0.25: v1(49.33,6.26) 50.72,6.26 50.99,6.53 50.99,7.74 51.74,8.49 51.74,10.39 53.14,11.78 53.14,14.48 51.67,15.95 51.67,17.36 49.98,19.05 v1(49.98,21.95)
/spudglo_v4p2_micro/SPI1_NSS: length 65.8
  Top w0.2: R36.2 8.9,34.82 7.84,33.76 5.48,33.76 0.83,29.11 0.83,26.53 J4.7
  Top w0.25: v1(34.83,24.78) 35.56,24.78 38.1,27.32 38.99,27.32 39.96,28.29 U10.20 ; v1(28.58,27.43) 28.14,27.43 27.46,26.75 24.86,26.75 22.19,24.08 13.93,24.08 10.64,27.37 v1(10.26,27.37)
  Bottom w0.2: J4.7 0.83,26.53 0.83,28.42 1.48,29.07 3.89,29.07 4.49,28.46 9.17,28.46 v1(10.26,27.37)
  Bottom w0.25: v1(28.58,27.43) 29.99,26.02 33.59,26.02 v1(34.83,24.78)
/spudglo_v4p2_micro/SPI1_SCK: length 57.7
  Top w0.25: 43.64,31.72 43.64,32.56 42.83,33.36 v1(41.02,33.36) ; v1(36.06,33.73) 31.58,33.73 29.83,31.98 29.83,29.33 29.44,28.94 29.44,27.02 27.2,24.78 27.2,23.53 26.35,22.68 19.71,22.68 19.27,22.24 19.27,16.68 17.92,15.33 v1(9.61,15.33)
  Bottom w0.25: v1(41.02,33.36) 40.65,33.73 v1(36.06,33.73) ; J4.3 2.49,14.71 8.99,14.71 v1(9.61,15.33)
/spudglo_v4p2_micro/SWCLK: length 77.4
  Top w0.2: 8.71,8.88 8.71,7.36 J1.6
  Top w0.25: v1(52.5,20.32) 52.5,19.97 ; J1.6 6.13,4.78 6.13,2.92 7.71,1.34 50.7,1.34 53.45,4.1 v1(53.45,9.98) ; 52.56,22.29 52.56,19.91
  Bottom w0.25: v1(53.45,9.98) 55.75,12.28 55.75,16.72 52.5,19.97 v1(52.5,20.32)
/spudglo_v4p2_micro/SWDIO: length 68.7
  Top w0.2: R18.2 12.39,8.79 12.39,5.96 J1.7
  Top w0.25: J1.7 11.01,2.24 49.72,2.24 50.12,2.64 50.12,6.84 v1(50.26,6.98) ; U10.46 49.64,19.22 49.3,18.88 49.3,16.15 v1(49.28,16.13)
  Bottom w0.25: v1(49.28,16.13) 50.86,16.13 52.69,14.3 52.69,13.61 51.27,12.19 51.27,9.92 50.26,8.91 v1(50.26,6.98)
/spudglo_v4p2_micro/TIM1_CH1: length 5.9
  Top w0.25: U10.41 47.14,19.26 46.91,19.04 45.98,19.04 44.22,17.28 44.22,16.92 U9.7
/spudglo_v4p2_micro/TIM1_CH1_SHIFT: length 22.2
  Top w0.5: U9.13 38.26,11.88 36.6,11.88 32.47,7.75 24.07,7.75 20.79,4.47 J3.2
/spudglo_v4p2_micro/TIM1_CH2: length 6.2
  Top w0.25: U10.42 47.64,18.27 46.3,16.94 46.07,16.94 U9.5
/spudglo_v4p2_micro/TIM1_CH2_SHIFT: length 12.3
  Top w0.5: J3.5 32.4,5.92 34.13,5.92 U9.15
/spudglo_v4p2_micro/TIM1_CH3: length 8.1
  Top w0.25: U10.43 48.14,19.28 48.84,18.57 48.84,16.76 47.55,15.47 46.44,15.47 U9.3
/spudglo_v4p2_micro/TIM1_CH3_SHIFT: length 7.2
  Top w0.5: J3.8 40.45,5.48 40.45,10.39 U9.17
INT_LVL_EN: length 72.4
  Top w0.2: v1(15.39,33.79) 14.38,32.78 U2.8 13.27,31.68 R24.2 12.01,31.97 12.01,34.51 R2.1
  Top w0.25: R30.1 60.48,26.96 58.42,29.02 58.32,29.02 57.79,29.55 57.79,30.46 57.82,30.48 57.82,31.86 57.49,32.19 54.38,32.19 52.91,30.72 51.26,30.72 50.96,30.42 50.96,27.8 48.94,25.78 48.64,25.78 48.37,26.06 46.47,26.06 45.71,25.29 U10.26 38.62,25.29 37.28,23.96 37.28,21.28 36.32,20.32 34.52,20.32 32.7,22.14 31,22.14 v1(30.03,23.1)
  Bottom w0.2: v1(15.39,33.79) 17.14,33.79 24.73,26.2 24.73,24.92 25.69,23.96 28.63,23.96 29.35,23.24 29.89,23.24 v1(30.03,23.1)
NRST: length 88.7
  Top w0.25: v1(55.55,28.13) 55.55,27.49 R27.1 ; v1(50.02,28.71) 48.38,28.71 47.87,29.21 v1(47.87,30.3) 47.64,30.54 47.64,31.72 ; R16.2 R23.1 42.03,36.16 C8.1 43.03,34.64 v1(43.53,34.15)
  Bottom w0.25: v1(43.53,34.15) 43.53,33.92 47.15,30.3 v1(47.87,30.3) ; J1.2 3.86,7.59 33.26,7.59 37.57,11.9 37.57,12.74 41.11,16.28 41.11,16.73 40.82,17.03 40.72,17.03 40.7,17.04 40.26,17.04 37.57,19.72 37.57,20.82 43.13,26.38 46.23,26.38 47.41,27.56 48.55,27.56 49.7,28.71 v1(50.02,28.71) 51.01,28.71 51.5,28.21 55.47,28.21 v1(55.55,28.13)
USBD+: length 10.4
  Top w0.2: 63.99,20.39 63.01,20.39 62.96,20.34 62.96,19.44 63.01,19.39 63.99,19.39 63.41,19.39 63.39,19.37 62.91,19.37 62.12,20.15 59.2,20.15 58.87,19.82 58.13,19.82 57.68,20.26 57.68,20.53 57.7,20.55 U13.15
USBD-: length 11.1
  Top w0.2: U13.14 57.2,20.55 57.23,20.53 57.23,20.08 57.94,19.37 59.05,19.37 59.44,19.75 61.89,19.75 62.72,18.92 63.39,18.92 63.41,18.89 64.96,18.89 65.01,18.94 65.01,19.67 64.79,19.89 63.99,19.89
WKUP1: length 50.5
  Top w0.2: U2.2 20.73,36.97 21.81,38.05 25.47,38.05 25.79,38.37 26.37,38.37 26.78,37.96 26.78,36.96 27.6,36.14 35.72,36.14 40.55,31.32 41.69,31.32 42.01,30.99
  Top w0.25: 44.14,31.72 44.14,30.6 43.48,29.95 43.06,29.95 42.01,30.99 ; R28.1 57.59,27.21 v1(56.54,28.27)
  Bottom w0.25: v1(56.54,28.27) 56.39,28.42 56.39,31.17 55.96,31.6 51.88,31.6 48.88,28.59 48.63,28.59 48.34,28.88 47.06,28.88 45.95,27.77 45.32,27.77 43.7,29.39 v1(43.7,30.08)
WKUP2: length 38.2
  Top w0.2: 28.18,36.9 27.78,36.9 27.38,37.3 27.38,37.99 26.61,38.77 25.62,38.77 25.31,38.45 20.94,38.45 19.46,36.97 U2.3
  Top w0.25: 50.14,31.72 50.14,30.88 v1(48.75,29.5) ; v1(45.65,28.49) 45.57,28.58 43.92,28.58 43.01,29.5 42.86,29.5 41.46,30.89 40.3,30.89 35.88,35.31 34.93,35.31 v1(34.88,35.26)
  Bottom w0.25: v1(48.75,29.5) 46.65,29.5 v1(45.65,28.49) ; v1(28.3,36.9) 29.1,36.11 34.04,36.11 v1(34.88,35.26)
WKUP3: length 37.4
  Top w0.2: 29.57,37.29 29.28,37.58 28.53,37.58 26.93,39.18 25.47,39.18 25.14,38.85 22.52,38.85 22.44,38.93 20.15,38.93 18.19,36.97 U2.4
  Top w0.25: v1(42.13,31.87) 40.59,31.87 33.82,38.65 30.83,38.65 29.57,37.39 29.57,37.29 ; v1(43.26,27.68) 43.26,27 42.05,25.79 U10.25
  Bottom w0.25: v1(43.26,27.68) 43.34,27.76 43.34,29.11 42.13,30.32 v1(42.13,31.87)
WKUP4: length 31.1
  Top w0.2: 27.55,39.48 27.45,39.58 25.31,39.58 24.98,39.25 22.69,39.25 22.61,39.33 19.28,39.33 16.92,36.97 U2.5
  Top w0.25: 27.55,39.48 33.62,39.48 40.46,32.64 42.39,32.64 43.14,31.89 43.14,31.72
XR_GPIO: length 28.8
  Top w0.25: v1(43.07,21.85) 43.14,21.79 U10.33 ; R29.1 59.14,27.14 v1(57.88,28.4)
  Bottom w0.25: v1(43.07,21.85) 43.75,21.18 44.65,21.18 45.17,21.69 45.17,22.3 45.66,22.78 51.29,22.78 53.23,20.84 53.23,19.87 53.91,19.2 54.51,19.2 54.94,19.62 54.94,21.5 56.74,23.31 56.74,27.29 56.77,27.29 v1(57.88,28.4)
XR_RX: length 20.8
  Top w0.25: 46.64,31.72 46.64,30.75 46.69,30.7 46.69,29.12 48.63,27.17 v1(48.63,26.77) ; v1(54.21,19.92) 54.65,19.92 55.29,20.56 55.29,22.19 55.43,22.32 U13.10
  Bottom w0.25: v1(54.21,19.92) 53.87,20.27 53.87,25.19 52.57,26.49 48.91,26.49 v1(48.63,26.77)
XR_TX: length 14.5
  Top w0.25: U13.9 56.04,23.64 v1(55.79,23.88) ; v1(49.44,27.41) 49.03,27.41 47.14,29.3 47.14,31.72
  Bottom w0.25: v1(49.44,27.41) 52.29,27.41 55.79,23.91 v1(55.79,23.88)
Net-(C4-Pad1): length 6
  Top w0.25: 49.64,31.72 49.64,32.81 50.01,33.19 50.01,33.53 U7.1 52.53,36.05 C4.1
Net-(C5-Pad1): length 6.5
  Top w0.25: 49.14,31.72 49.14,32.95 49.56,33.37 49.56,34.25 U7.2 51.87,36.56 C5.1
Net-(C27-Pad1): length 24.4
  Top w0.25: v1(68.37,22.86) 68.37,20.75 64.81,17.19 63.99,17.19 ; v1(66.49,23.1) 66.49,22.6 65.72,21.83 65.14,21.83 64.88,22.09 63.99,22.09
  Top w0.5: 65.39,26.07 65.39,25.6 65.22,25.43 62.88,25.43 C27.1 62.25,25.12 v1(61.99,24.86)
  Bottom w0.25: v1(68.37,22.86) 66.73,22.86 v1(66.49,23.1) 66.49,24.09 65.72,24.86 v1(61.99,24.86)
Net-(F1-Pad1): length 22.1
  Top w2: 60.09,12.77 60.3,12.56 J2.1 63.75,11.93 62.88,11.06
  Top w3: 63.45,12.58 63.26,12.77 60.09,12.77 57.17,9.85 F1.1 60.68,9.85 61.89,11.06 62.88,11.06
Net-(J4-Pad4): length 9.5
  Top w0.2: R31.2 8.42,14.11 R32.2 8.04,14.49 5.49,14.49 4.97,15.01 4.73,15.01 J4.4
Net-(R6-Pad1): length 12.2
  Top w0.75: U6.1 10.39,21.16 8.86,22.69 8.86,26.77 9.06,26.97 9.06,30.28 9.91,31.13 R6.1
Net-(R7-Pad1): length 4.8
  Top w0.75: U6.3 14.15,18.79 13,18.79 11.78,17.56
Net-(R8-Pad1): length 17.5
  Top w0.75: R8.1 33.39,26.62 31.8,25.03 30.58,25.03 29,23.46 29,23.2 29.03,23.17 29.03,22.37 28.11,21.45 21.78,21.45 20.55,20.22 U6.5
Net-(R9-Pad1): length 14.9
  Top w0.75: U6.7 26.96,18.79 28.12,18.79 30.37,16.53 30.37,12.85 31.31,11.92 33.72,11.92 R9.1
Net-(R25-Pad1): length 7.8
  Top w0.25: R25.1 67.43,22.3 66.06,20.93 65.47,20.93 65.01,21.39 63.99,21.39
Net-(R26-Pad1): length 14.9
  Top w0.25: R26.1 54.31,21.05 53.49,20.22 53.49,18.4 54.61,17.27 59.61,17.27 59.64,17.24 61.96,17.24 61.96,17.78 62.57,18.39 63.99,18.39
Net-(R27-Pad2): length 2
  Top w0.2: U13.8 56.7,24.52 R27.2
Net-(R28-Pad2): length 1.8
  Top w0.2: U13.7 57.2,24.78 R28.2
Net-(R29-Pad2): length 2.5
  Top w0.25: U13.6 57.7,24.1 57.93,24.33 58.29,24.33 R29.2
Net-(R30-Pad2): length 4.1
  Top w0.25: U13.5 59.19,23.49 59.45,23.23 60.01,23.23 60.25,23.47 60.25,23.54 60.73,24.02 R30.2
Net-(R33-Pad1): length 13.8
  Top w0.25: U13.1 59.42,21.32 59.56,21.46 59.56,22.63 59.71,22.78 60.2,22.78 60.7,23.28 60.7,23.35 61.4,24.05 62.27,24.05 63.07,24.86 65.82,24.86 66.51,25.55 66.51,26.16 ; 66.51,26.24 66.96,26.7 68.24,26.7 R33.1

## Copper pours and planes (outline as drawn; the poured copper is in the pictures)
+3V3 on PWR.Cu: 55.95,13.23 34.69,13.23 34.69,37.76 55.95,37.76
+3V3 on PWR.Cu: 28.81,26.12 26.89,26.12 26.89,28.36 28.81,28.36
+3V3 on PWR.Cu: 36.89,23.57 10.78,23.57 10.78,29.72 36.89,29.72
+3V3 on PWR.Cu: 76.39,-0.46 72.04,-0.46 72.04,16.2 76.39,16.2
+3V3 on PWR.Cu: 40.99,10.04 10.31,10.04 10.31,17.95 40.99,17.95
+5V on PWR.Cu: 68.98,-0.12 2.94,-0.12 2.94,8.77 68.98,8.77
+5V on PWR.Cu: 70.24,-0.08 57.73,-0.08 57.73,40.07 70.24,40.07
+5V on PWR.Cu: 52.47,7.5 42.31,7.5 42.31,11.86 52.47,11.86
+5V on PWR.Cu: 71.25,29.29 67.4,29.29 67.4,40.75 71.25,40.75
+5V on PWR.Cu: 70.85,38.31 32.21,38.31 32.21,40.7 70.85,40.7
+5V on PWR.Cu: 33.74,31.25 2.94,31.25 2.94,39.55 33.74,39.55
+5V on PWR.Cu: 8.89,-0.12 -5.38,-0.12 -5.38,40.52 8.63,40.52
+5V on PWR.Cu: 31.94,19.18 2.94,19.18 2.94,22.49 31.94,22.49
GND1 on Top: 79.61,-6.71 -7.53,-6.71 -7.53,45.56 79.61,45.56
GND1 on Bottom: 77.04,-3.51 -6.65,-3.51 -6.65,44.11 77.04,44.11
GND1 on GND.Cu: 79.18,-2.74 -7.74,-1.14 -6.15,41.69 79.32,41.9
VBUS on PWR.Cu: 78.72,16.88 71.81,16.88 71.81,35.52 78.72,35.52

## Text on the board
B.Silkscreen: SpudGlo v4.2 / Spencer Wright / Claire Drucker
F.Silkscreen: A | C | D | B | - | GND | 5V | + | NC | SpudGlo Driver 4.2 / SpudGlo LLC / www.SpudGlo.com | 04/03/2023 / Spencer Wright / Claire Drucker | CH1 | CH2 | CH3
